# Altium PCB PCB3.PcbDoc
Units mm, origin at the board's own origin, x right, y up, seen from the top; angles counter-clockwise.
Board outline 155.1 x 76.1 mm, 2 copper layers (Top Layer, Bottom Layer); 73 components, 62 nets, 228 pads, 16 vias.
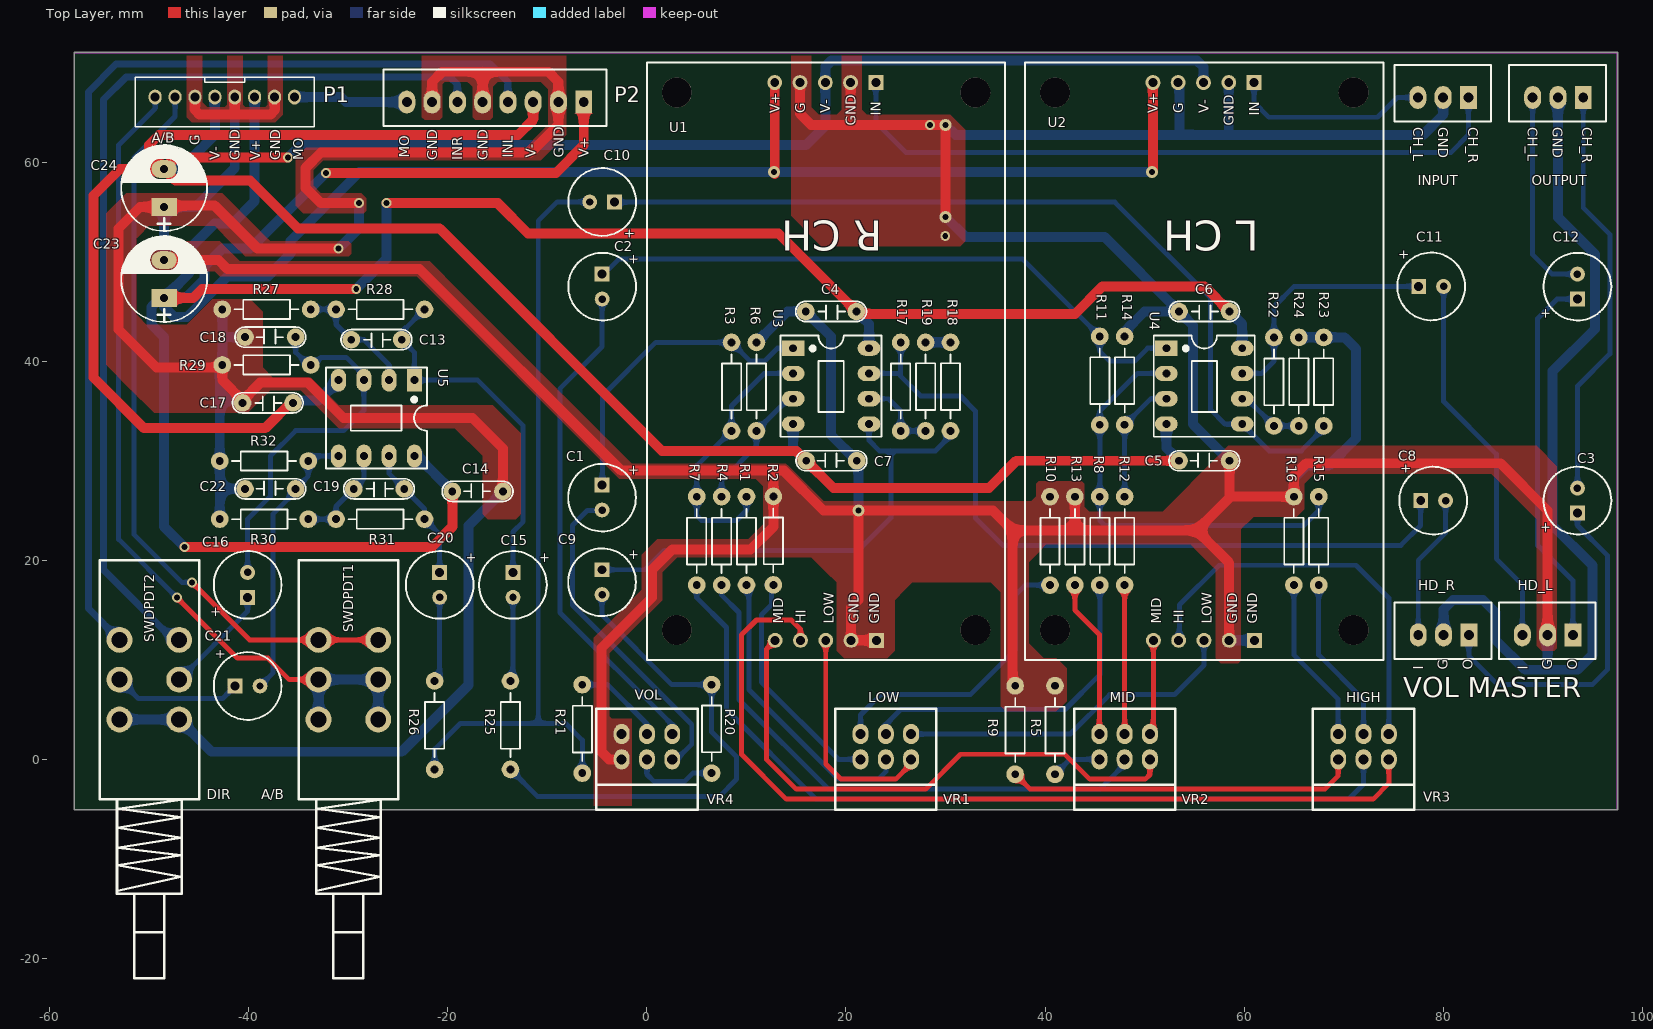
[diagram p0: Top Layer view]
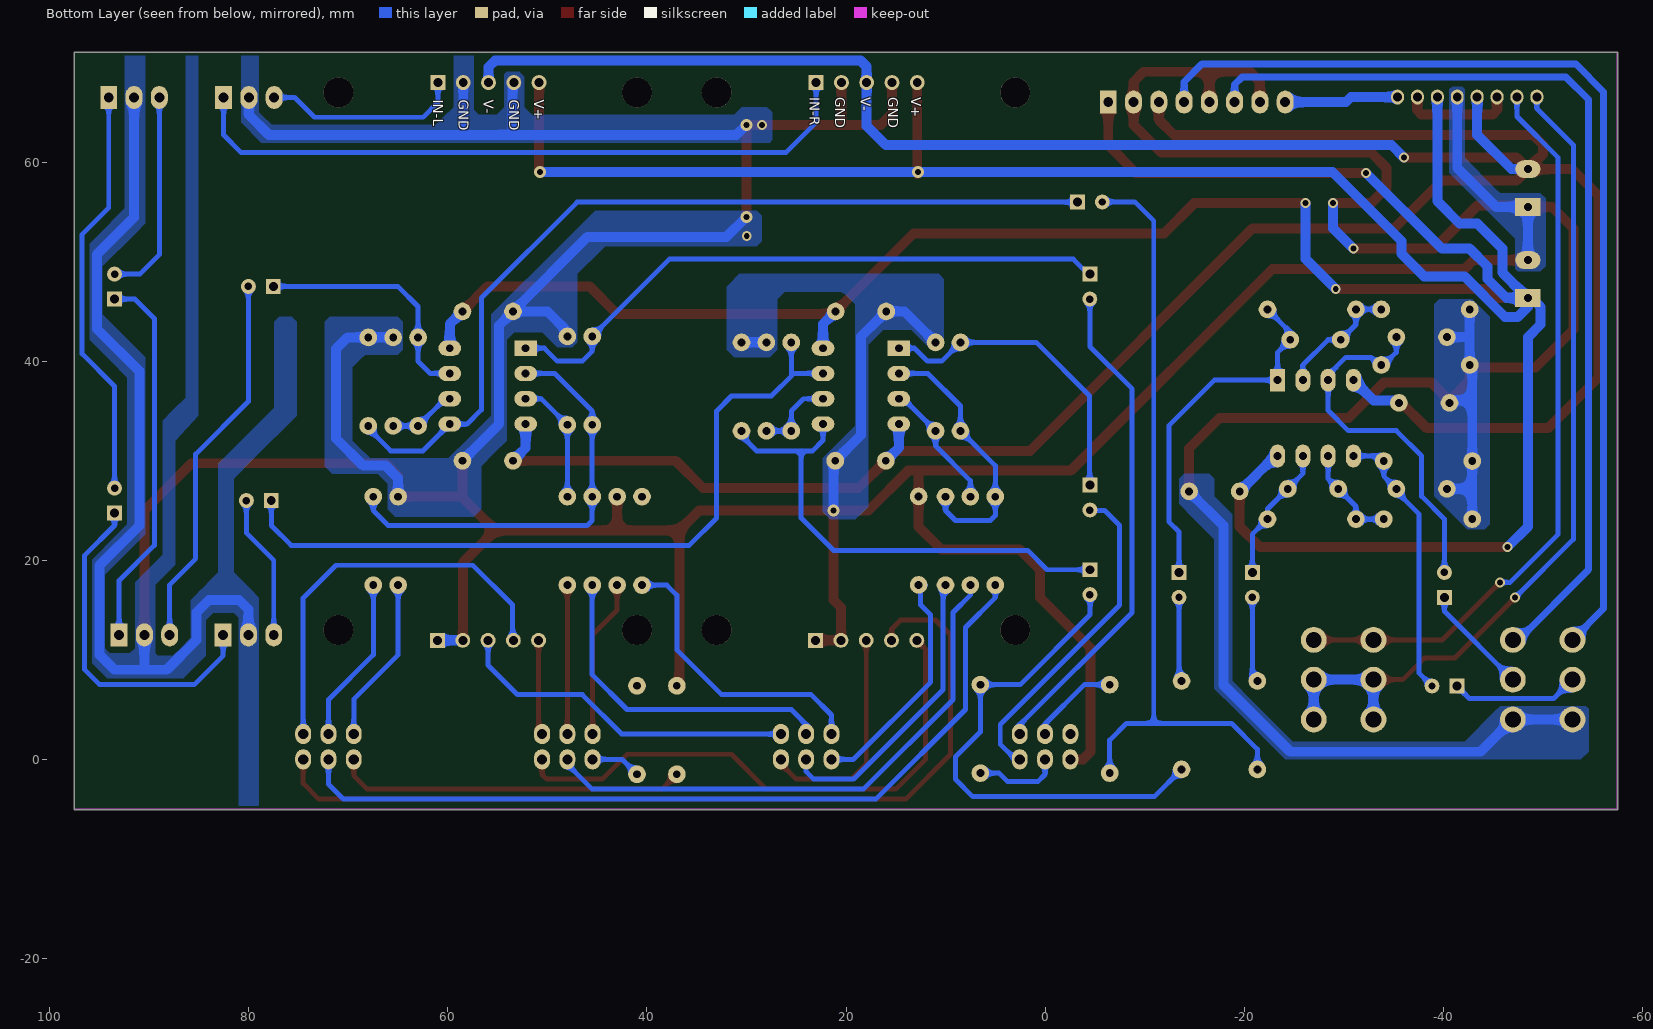
[diagram p1: Bottom Layer view, seen from below]
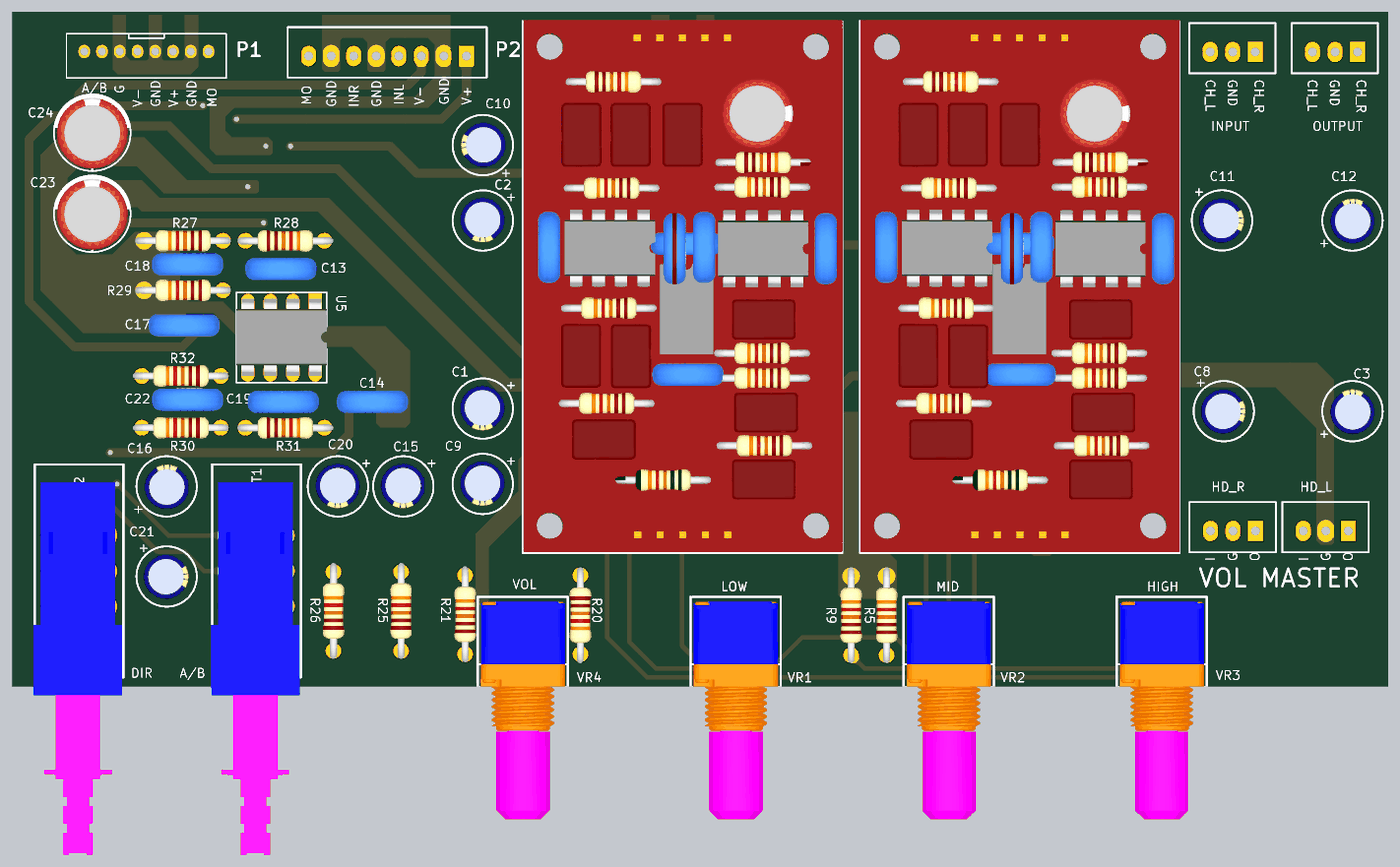
[diagram p2: 3D render of the assembled board from above, using the file's embedded part models]

## Layer stack, top to bottom
Top Solder: solder mask 0.0102, Solder Resist, Dk 3.5
Top Layer: signal copper 0.0356
Dielectric 1: dielectric 0.32, FR-4, Dk 4.8
Bottom Layer: signal copper 0.0356
Bottom Solder: solder mask 0.0102, Solder Resist, Dk 3.5

## Board outline
-57.5,-5.05 cw(c-57.5,-5) -57.55,-5 -57.55,71 cw(c-57.5,71) -57.5,71.05 97.5,71.05 cw(c97.5,71) 97.55,71 97.55,-5 cw(c97.5,-5) 97.5,-5.05

## Design rules (kind name [scope] priority, off if disabled: settings)
Clearance [All] p1: gap=0.254
PolygonConnect [All] p1: connectstyle=Direct reliefconductorwidth=0.254 reliefentries=4 polygonreliefangle="90 Angle" airgapwidth=0.254
RoutingVias [All] p1: holewidth=0.711 width=1.27 viastyle="Through Hole" minholewidth=0.6 minwidth=0.6 maxholewidth=5 maxwidth=5
SolderMaskExpansion [All] p1: expansion=0.102
Width [All] p1: maxlimit=1 minlimit=0.3 preferedwidth=0.35
30 further rules are at their usual default settings.

## Components (designator, comment, footprint, x,y, rotation, side; value= is the part's Value field where it differs from the comment)
C1 "10uF" CAP5X12 -4.513,26.298 r270 top locked
C2 "10uF" CAP5X12 -4.5,47.5 r270 top locked
C3 "10uF" CAP5x12 93.5,26 r90 top locked
C4 "104" TU_GOM(104-->105pF) 18.5,45 r180 top locked
C5 "104" TU_GOM(104-->105pF) 56,30 r0 top locked
C6 "104" TU_GOM(104-->105pF) 56,45 r180 top locked
C7 "104" TU_GOM(104-->105pF) 18.54,30 r0 top locked
C8 "10uF" CAP5X12 79,26 r0 top locked
C9 "10uF" CAP5X12 -4.513,17.798 r270 top locked
C10 "10uF" CAP5X12 -4.5,56 r180 top locked
C11 "10uF" CAP5X12 78.798,47.513 r0 top locked
C12 "10uF" CAP5x12 93.5,47.5 r90 top locked
C13 "101" TU_GOM(104-->105pF) -27.178,42.164 r180 top
C14 "104" TU_GOM(104-->105pF) -17.018,26.924 r0 top
C15 "10uF" CAP5x12 -13.462,17.526 r270 top
C16 "10uF" CAP5x12 -40.132,17.526 r90 top
C17 "104" TU_GOM(104-->105pF) -38.1,35.814 r180 top locked
C18 "102" TU_GOM(104-->105pF) -37.846,42.418 r0 top
C19 "101" TU_GOM(104-->105pF) -26.924,27.178 r180 top
C20 "10uF" CAP5x12 -20.828,17.526 r270 top
C21 "10uF" CAP5x12 -40.132,7.366 r0 top
C22 "102" TU_GOM(104-->105pF) -37.846,27.178 r0 top
C23 "470uF" "TU_HOA(100uF/35V - 470uF/16V)" -48.514,48.26 r90 top locked
C24 "470uF" "TU_HOA(100uF/35V - 470uF/16V)" -48.514,57.404 r90 top
HD_L "Header 3_MH" "HEADER 3" 90.5,12.5 r180 top locked
HD_R "Header 3_MH" "HEADER 3" 80.04,12.5 r180 top locked
INPUT "Header 3_MH" "HEADER 3" 80,66.5 r180 top locked
OUTPUT "Header 3_MH" "HEADER 3" 91.54,66.5 r180 top locked
P1 "ToMICBOARD" HEADER2M_8P -42.418,66.548 r180 top locked
P2 "ToMICBOARD" "HEADER 8" -15.24,66.04 r180 top
R1 "56K" "TRO_VACH_ 1/4W" 10,26.39 r270 top locked
R2 "100" "TRO_VACH_ 1/4W" 12.7,26.416 r270 top
R3 "560K" "TRO_VACH_ 1/4W" 8.5,41.89 r270 top locked
R4 "47K" "TRO_VACH_ 1/4W" 7.5,26.39 r270 top locked
R5 "100" "TRO_VACH_ 1/4W" 41,7.39 r270 top locked
R6 "22K" "TRO_VACH_ 1/4W" 11,41.89 r270 top locked
R7 "56K" "TRO_VACH_ 1/4W" 5,26.39 r270 top locked
R8 "56K" "TRO_VACH_ 1/4W" 45.5,26.39 r270 top locked
R9 "100" "TRO_VACH_ 1/4W" 37,7.39 r270 top locked
R10 "100" "TRO_VACH_ 1/4W" 40.5,26.39 r270 top locked
R11 "560K" "TRO_VACH_ 1/4W" 45.5,42.5 r270 top locked
R12 "47K" "TRO_VACH_ 1/4W" 48,26.39 r270 top locked
R13 "100" "TRO_VACH_ 1/4W" 43,26.39 r270 top locked
R14 "22K" "TRO_VACH_ 1/4W" 48,42.5 r270 top locked
R15 "56K" "TRO_VACH_ 1/4W" 67.5,26.39 r270 top locked
R16 "100" "TRO_VACH_ 1/4W" 65,26.39 r270 top locked
R17 "8.2K" "TRO_VACH_ 1/4W" 25.5,41.89 r270 top locked
R18 "56K" "TRO_VACH_ 1/4W" 30.5,33 r90 top locked
R19 "1K" "TRO_VACH_ 1/4W" 28,33 r90 top locked
R20 "22K" "TRO_VACH_ 1/4W" 6.5,-1.39 r90 top locked
R21 "22K" "TRO_VACH_ 1/4W" -6.5,7.5 r270 top locked
R22 "8.2K" "TRO_VACH_ 1/4W" 63,42.39 r270 top locked
R23 "56K" "TRO_VACH_ 1/4W" 68,33.5 r90 top locked
R24 "1K" "TRO_VACH_ 1/4W" 65.5,33.5 r90 top locked
R25 "22K" "TRO_VACH_ 1/4W" -13.716,7.874 r270 top
R26 "22K" "TRO_VACH_ 1/4W" -21.336,7.874 r270 top
R27 "1K" "TRO_VACH_ 1/4W" -42.672,45.212 r0 top
R28 "8.2K" "TRO_VACH_ 1/4W" -22.352,45.212 r180 top
R29 "56K" "TRO_VACH_ 1/4W" -42.672,39.624 r0 top locked
R30 "1K" "TRO_VACH_ 1/4W" -42.926,24.13 r0 top
R31 "8.2K" "TRO_VACH_ 1/4W" -22.352,24.13 r180 top
R32 "56K" "TRO_VACH_ 1/4W" -42.926,29.972 r0 top
SWDPDT1 "SPUN190900" SW-DIP-P42X10 -29.952,8.064 r270 top locked
SWDPDT2 "SPUN190900" SW-DIP-P42X10 -49.952,8.064 r270 top locked
U1 "ToneBoard" TONEBOARD 18,39.978 r90 top locked
U2 "ToneBoard" TONEBOARD 56,39.978 r90 top locked
U3 "TL082ACP" DIP8 18.5,37.5 r270 top locked
U4 "TL082ACP" DIP8 56,37.5 r270 top locked
U5 "TL082ACP" DIP8 -27.178,34.29 r180 top
VR1 "10k" 9011 21.46,0 r0 top locked
VR2 "10k" 9011 45.46,0 r0 top locked
VR3 "10k" 9011 69.46,0 r0 top locked
VR4 "10k" 9011 -2.54,0 r0 top locked

## Footprints (in the part's own frame and the unit in brackets; to place one, negate y for a bottom-side part, rotate by r counter-clockwise, add the part's x,y. Pads: shape width x height; smd on the part's side, far side on the other; paste and mask are expansions set on the pad)
9011 [mil]
  oval 62.99x80 hole 40: 1(0,0) 2(100,0) 3(200,0) 4(0,100) 5(100,100) 6(200,100)
  silkscreen extent -100,-200 300,200, body extent -86,-789 288,178, height 447
CAP5X12 [mm] "Electrolytic Capacitor Radial 5x12 ver.2"
  rect 1.5x1.5 hole 0.9: 1(-1.25,0)
  round 1.5 hole 0.75: 2(1.25,0)
  silkscreen extent -3.4,-3.4 3.4,3.4, body extent -2.62,-2.57 2.46,2.51, height 13.2
CAP5x12 [mm] "Electrolytic Capacitor Radial 5x12 ver.2"
  rect 1.5x1.5 hole 0.9: 1(-1.25,0)
  round 1.5 hole 0.75: 2(1.25,0)
  silkscreen extent -3.4,-3.4 3.4,3.4, body extent -2.62,-2.57 2.46,2.51, height 13.2
DIP8 [mil]
  rect 60x90 hole 31: 1(-150,-150)
  oval 60x90 hole 31: 2(-50,-150) 3(50,-150) 4(150,-150) 5(150,150) 6(50,150) 7(-50,150) 8(-150,150)
  silkscreen extent -200,-200 200,200, body extent -200,-190 200,186, height 201
HEADER2M_8P [mm]
  oval 1.3x1.5 hole 0.9 mask+0.001: 1(-7,0) 2(-5,0) 3(-3,0) 4(-1,0) 5(1,0) 6(3,0) 7(5,0) 8(7,0)
  silkscreen extent -9,-2 9,3
"HEADER 3" [mm]
  rect 1.7x2.3 hole 1 paste+0: 1(-2.54,0)
  oval 1.7x2.3 hole 1 paste+0: 2(0,0) 3(2.54,0)
  silkscreen extent -4.83,-3.25 4.9,2.41
"HEADER 8" [mm]
  rect 1.7x2.3 hole 1 paste+0: 1(-8.89,0)
  oval 1.7x2.3 hole 1 paste+0: 2(-6.35,0) 3(-3.81,0) 4(-1.27,0) 5(1.27,0) 6(3.81,0) 7(6.35,0) 8(8.89,0)
  silkscreen extent -11.18,-3.25 11.25,2.41
SW-DIP-P42X10 [mm]
  round 2.6 hole 1.6: 1(4.064,-3.048) 2(0.064,-3.048) 3(-3.936,-3.048) 4(4.064,2.952) 5(0.064,2.952) 6(-3.936,2.952)
  silkscreen extent -11.94,-5.05 30.06,4.95, body extent -9.92,-5.18 32.08,4.82, height 13.1
TONEBOARD [mm]
  round 3 hole 3 mask+0.001: 0(-26.978,-15) 0(-26.978,15) 0(27.022,-15) 0(27.022,15)
  rect 1.5x1.5 hole 0.9: 1(-28.022,-5.046) 10(28.022,-5)
  round 1.5 hole 0.9: 2(-28.022,-2.506) 3(-28.022,0.034) 4(-28.022,2.574) 5(-28.022,5.114) 6(28.022,5.16) 7(28.022,2.62) 8(28.022,0.08) 9(28.022,-2.46)
  silkscreen extent -29.98,-18 30.02,18, body extent -29.87,-18.06 30.13,17.94, height 16.5
"TRO_VACH_ 1/4W" [mil] "R 1/4W, 2 Pin, 350mil"
  round 70 hole 31: 1(0,0) 2(350,0)
  silkscreen extent 48,-38 302,38, body extent -40,-47 386,47, height 111
TU_GOM(104-->105pF) [mil]
  round 70 hole 31: 1(-100,0) 2(100,0)
  silkscreen extent -140,-40 140,40, body extent -154,-44 160,55, height 407
"TU_HOA(100uF/35V - 470uF/16V)" [mil]
  rect 70x100 hole 32: 1(-75,0)
  oval 70x100 hole 32: 2(75,0)
  silkscreen extent -170,-170 170,170, body extent -160,-157 155,157, height 446

## Part data
C1 C2 C3 C8 C9 C10 C11 C12 C15 C20: library part TU_HOA_4.7uF_100V_MH, "TU_HOA_4.7uF_100V_MH"
C4 C5 C6 C7 C14 C17: library part "TU_MICA_ 104 100V(2A104J)_MH"
C13 C18 C19 C22: library part "TU_GOM(104 => 105pF)_MH"
C16 C21: library part TU_HOA_10uF_16V_MH
C23 C24: library part TU_HOA_10uF_16V_MH, "10uF"
HD_L HD_R INPUT OUTPUT: "Header 3P XH2.54 th?ng"
P1 P2: library part "Header 8", "Header, 8-Pin"
R1 R3 R4 R5 R6 R7 R8 R9 R10 R11 R12 R13 R14 R15 R16 R17 R18 R19 R20 R21 R22 R23 R24 R25 R26: library part TRO_VACH_1/2W_MH, "Resistor"
R2: library part TRO_VACH_1/2W_MH, "100 Ohms ±1% 0.25W, 1/4W Through Hole Resistor Axial Metal Film"
R27 R28 R29 R30 R31 R32: library part TRO_VACH_1/4W_MH
U3 U4 U5: "JFET-Input Operational Amplifier"
VR1 VR2 VR3 VR4: library part "Triet Ap Doi 10k_MH", "Triet Ap Doi 10k"

## Via types
v1: diameter 1, hole 0.6, Top Layer to Bottom Layer, tented both sides, 11 vias
v2: diameter 1.2, hole 0.6, Top Layer to Bottom Layer, tented both sides, 5 vias

## Nets (pads, with @x,y where several pads share a name; then routed paths per layer and width w, separated by ;. In a path a pad name is that pad's centre, name@x,y a point inside that pad or via, vN(x,y) a via of type N, cw(c..) or ccw(c..) an arc to the next point about the centre after c; other vN are vias at no path point)
+15V: C4.1 C6.1 C14.1 C23.1 P1.3 P2.1 U1.6 U2.6 U3.8 U4.8 U5.8 | length 396.5
  Top Layer w1: C23.1 -45.593,46.355 -44.704,47.244 v1(-29.21,47.244) ; v1(-46.482,21.336) -21.59,21.336 -19.558,23.368 C14.1 ; v1(-32.258,58.928) -9.144,58.928 -6.35,61.722 P2.1 ; v1(-26.162,55.88) -14.986,55.88 -11.938,52.832 13.208,52.832 C4.1 21.29,44.75 43,44.75 45.75,47.5 56.04,47.5 C6.1 ; v2@12.84,58.814 U1.6 ; v2(50.75,59) 50.84,59.09 U2.6
  Bottom Layer w1: C23.1@-48.514,45.466 -47.498,44.45 -46.228,44.45 -42.164,48.514 -38.1,48.514 -35.814,50.8 -35.814,52.07 -28.884,59 v2(12.75,59) v2(50.75,59) ; v1(-46.482,21.336) -48.514,23.368 -48.514,42.418 -49.784,43.688 -49.784,45.466 -48.895,46.355 C23.1 ; P1.3 -39.418,56.086 -41.656,53.848 -43.434,53.848 -45.974,51.308 -45.974,48.895 C23.1 ; v1(-32.258,58.928) -39.878,51.308 -42.672,51.308 -44.45,49.53 -44.45,48.26 -46.355,46.355 C23.1 ; v1(-29.21,47.244) -26.162,50.292 v1(-26.162,55.88) ; U5.8 -23.114,30.48 C14.1 ; C4.1 22.31,43.73 U3.8 ; C6.1 59.81,43.73 U4.8
-15V: C5.1 C7.1 C17.1 C24.2 P1.5 P2.3 U1.8 U2.8 U3.4 U4.4 U5.4 | length 348.6
  Top Layer w1: C24.2@-48.133,59.69 -47.371,60.452 v1(-36.068,60.452) ; C17.1@-35.56,36.068 -38.354,33.274 -50.546,33.274 -55.626,38.354 -55.626,56.642 -52.959,59.309 C24.2 ; P2.3 -11.43,64.262 -12.954,62.738 -49.022,62.738 -50.038,61.722 -50.038,60.833 C24.2 ; C5.1 37.112,30 34.362,27.25 18.75,27.25 C7.1 15.012,30.988 1.524,30.988 -20.828,53.34 -35.052,53.34 -39.878,58.166 -47.371,58.166 C24.2
  Bottom Layer w1: C24.2 -46.863,59.309 -43.418,62.754 P1.5 ; v1(-36.068,60.452) -34.798,61.722 16.002,61.722 17.92,63.64 U1.8 17.92,69.596 18.52,70.196 55.28,70.196 55.92,69.556 U2.8 ; C17.1@-35.56,36.068 -33.02,36.068 U5.4 ; U3.4 14.69,31.31 C7.1 ; U4.4 52.19,31.27 C5.1
A/B_C: P1.8 SWDPDT1.1 SWDPDT1.2 SWDPDT1.4 SWDPDT1.5 | length 85.9
  Top Layer w0.5: v1(-47.244,16.256) -41.148,10.16 -38.1,10.16 -35.94,8 SWDPDT1.2
  Bottom Layer w0.5: P1.8 -49.418,65.39 -53.086,61.722 -53.086,22.098 v1(-47.244,16.256)
  Bottom Layer w1: SWDPDT1.1 SWDPDT1.2 SWDPDT1.5 SWDPDT1.4
DIR_C: P1.7 SWDPDT1.3 SWDPDT1.6 | length 74.6
  Top Layer w0.5: v1(-45.72,17.78) -39.94,12 SWDPDT1.3 SWDPDT1.6
  Bottom Layer w0.5: P1.7 -47.418,64.596 -51.562,60.452 -51.562,22.606 -46.736,17.78 v1(-45.72,17.78)
GND: C4.2 C5.2 C6.2 C7.2 C14.2 C17.2 C18.1 C22.1 C23.2 C24.1 HD_L.2 HD_R.2 INPUT.2 OUTPUT.2 P1.2 P1.4 P1.6 P2.2 P2.5 P2.7 R2.1 R5.1 R6.1 R9.1 R10.1 R13.1 R14.1 R16.1 R18.2 R19.2 R23.2 R24.2 R27.1 R29.1 R30.1 R32.1 SWDPDT2.1 SWDPDT2.4 U1.1 U1.2 U1.7 U1.9 U2.1 U2.2 U2.7 U2.9 VR4.1 VR4.4 | length 825.8
  Top Layer w0.5: 12.5,29 12.7,28.8
  Top Layer w1: C23.2 -43.053,50.165 -42.164,49.276 -22.86,49.276 -2.584,29 12.5,29 13.75,29 17.75,25 v2(21.25,25) ; C24.1 -50.927,55.499 -53.086,53.34 -53.086,43.18 -49.276,39.37 R29.1@-42.672,39.37 ; C24.1@-48.133,55.499 -48.006,55.626 -43.434,55.626 -39.116,51.308 v1(-30.988,51.308) ; P1.6 -45.418,65.23 -44.958,64.77 -41.402,64.77 ; R29.1 R29.1@-42.672,39.37 ; P1.4 -41.418,64.786 -41.402,64.77 ; P1.2 -37.418,65.198 -37.846,64.77 -41.402,64.77 ; v1(-28.956,55.88) -32.766,55.88 -34.29,57.404 -34.29,59.436 -32.766,60.96 -11.684,60.96 -8.89,63.754 P2.2 -8.89,68.072 -9.906,69.088 -16.51,69.088 ; P2.7 -21.59,68.072 -20.574,69.088 -16.51,69.088 ; P2.5 -16.51,69.088 ; C14.2 -14.478,31.242 -17.526,34.29 -30.48,34.29 -34.036,37.846 -38.862,37.846 -40.64,36.068 -42.672,38.1 R29.1@-42.672,39.37 ; VR4.1 -3.81,0 -4.572,0.762 -4.572,11.176 0.508,16.256 0.508,19.05 2.54,21.082 10.414,21.082 12.7,23.368 R2.1 12.7,28.8 ; U1.7 15.38,64.87 16.5,63.75 20.5,63.75 ; U1.9 20.46,63.79 20.5,63.75 ; U1.1 U1.2 20.5,11.962 20.5,15.25 21.25,16 v2(21.25,25) ; v2(30,54.5) v2(30,63.75) v1(28.448,63.75) 20.5,63.75 ; R9.1 36.75,7.64 36.75,23 ; R13.1 43,23 ; U2.2 58.506,19.744 55.25,23 ; C5.2 58.54,26.29 ; HD_L.2 90.5,25 85.75,29.75 66.25,29.75 65,28.5 R16.1 58.64,26.39 58.54,26.29 ; v2(21.25,25) 34.75,25 36.75,23 ; 36.75,23 43,23 ; 43,23 55.25,23 ; 55.25,23 58.54,26.29
  Bottom Layer w1: SWDPDT2.1 SWDPDT2.4 -43.762,0.762 -24.638,0.762 -17.915,7.485 -17.915,23.487 C14.2 ; C23.2 C24.1 -45.339,55.499 -41.418,59.42 P1.4 ; R30.1 -42.926,27.178 ; R27.1 -42.672,42.672 ; C17.2@-40.64,36.068 -42.926,36.068 ; C22.1 -42.926,27.178 ; C18.1 -42.418,42.418 -42.672,42.672 ; v1(-30.988,51.308) -28.956,53.34 v1(-28.956,55.88) ; R6.1 14.11,45 C4.2 17.46,43.5 17.5,43.5 18.5,42.5 18.5,32.58 C7.2 21.25,29.83 v2(21.25,25) ; R19.2 R18.2 ; v2(30,54.5) 32,52.5 45.96,52.5 C6.2 ; v2(30,63.75) 31,62.75 53.75,62.75 ; R14.1 48,43 50,45 C6.2 ; U2.7 53.5,67.88 53.5,63 53.75,62.75 ; U2.9 58.46,63.04 58.75,62.75 ; U2.2 U2.1 ; C5.2 54.864,33.676 54.864,43.596 C6.2 ; R16.1 65,28.25 66.25,29.5 68.5,29.5 71.25,32.25 71.25,41.25 70.11,42.39 R23.2 R24.2 ; INPUT.2 80,64.75 78,62.75 58.75,62.75 ; HD_R.2 80.04,15.04 81,16 84,16 85.25,14.75 85.25,12 88.25,9 93.5,9 95,10.5 95,19.5 91,23.5 91,39 95.25,43.25 95.25,50.75 91.54,54.46 OUTPUT.2 ; 90.5,9.25 HD_L.2 ; -42.926,27.178 R32.1 -42.926,36.068 ; -42.926,36.068 -42.926,39.116 -42.672,39.37 R29.1 -42.672,42.672 ; 53.75,62.75 58.75,62.75
  other v1: 29.972,52.578
HIS_L: U2.4 VR3.6 | length 41.3
  Bottom Layer w0.5: U2.4 53.5,12.03 53.5,15.5 57.5,19.5 71.25,19.5 74.54,16.21 VR3.6
HIS_R: U1.4 VR3.3 | length 90
  Top Layer w0.5: U1.4 15.426,13.074 14.5,14 11,14 9.5,12.5 9.5,0.5 14,-4 72.962,-4 74.54,-2.422 VR3.3
IN_L: INPUT.3 U2.10 | length 19.9
  Bottom Layer w0.5: U2.10 61,66 62.484,64.516 73.406,64.516 75.39,66.5 INPUT.3
IN_R: INPUT.1 U1.10 | length 69.3
  Bottom Layer w0.5: U1.10 23,64 26.04,60.96 80.772,60.96 82.54,62.728 INPUT.1
LOWS_L: U2.3 VR1.6 | length 34.8
  Bottom Layer w0.5: VR1.6 42.54,2.54 46.5,6.5 53,6.5 55.966,9.466 U2.3
LOWS_R: U1.3 VR1.3 | length 22.7
  Top Layer w0.5: U1.3 17.966,-0.466 19.5,-2 25,-2 26.54,-0.46 VR1.3
MICIN_L: P2.4 SWDPDT2.3 | length 102.4
  Bottom Layer w0.7: SWDPDT2.3 -56.134,15.134 -56.134,67.056 -53.34,69.85 -15.748,69.85 -13.97,68.072 P2.4
MICIN_R: P2.6 SWDPDT2.6 | length 96.4
  Bottom Layer w0.7: SWDPDT2.6 -47.56,12 -54.61,19.05 -54.61,66.294 -52.324,68.58 -19.812,68.58 -19.05,67.818 P2.6
MICO_L: C20.2 R26.1 | length 8.6
  Bottom Layer w0.5: R26.1 -20.828,8.382 C20.2
MICO_R: C15.2 R25.1 | length 8.5
  Bottom Layer w0.5: R25.1 -13.462,8.128 C15.2
MIDS_L: U2.5 VR2.6 | length 9.6
  Top Layer w0.5: VR2.6 50.886,2.886 U2.5
MIDS_R: U1.5 VR2.3 | length 56.3
  Top Layer w0.5: U1.5 12,11.07 12,0 15,-3 28,-3 31.508,0.508 41.992,0.508 44.5,-2 50.07,-2 50.54,-1.53 VR2.3
MO: P1.1 P2.8 | length 11.5
  Bottom Layer w1: P1.1 -30.734,66.548 -30.226,66.04 P2.8
MUSIC_L: R21.1 VR4.5 | length 9.1
  Bottom Layer w0.5: R21.1 -3.944,7.5 0,3.556 VR4.5
MUSIC_R: R20.1 VR4.2 | length 8.7
  Bottom Layer w0.5: VR4.2 0,-1.524 0.726,-2.25 3.75,-2.25 4.61,-1.39 R20.1
NetC1_1: C1.1 R3.1 U3.1 | length 31.5
  Bottom Layer w0.5: C1.1@-4.487,27.702 -4.487,36.513 0.89,41.89 R3.1 10.39,40 11.806,40 13.116,41.31 U3.1
NetC2_1: C2.1 R11.1 U4.1 | length 63.3
  Bottom Layer w0.5: C2.1@-4.487,49.202 -4.053,48.768 -4.053,49.033 -2.836,50.25 37.75,50.25 R11.1 45.5,41 46.5,40 49,40 50.31,41.31 U4.1
NetC3_1: C3.1 HD_R.1 | length 34.8
  Bottom Layer w0.5: HD_R.1 82.58,10.42 85.5,7.5 95,7.5 96.5,9 96.5,20.5 93.5,23.5 C3.1
NetC8_1: C8.1 R17.1 U3.7 | length 75.5
  Bottom Layer w0.5: U3.7 25.5,38.77 ; R17.1 25.5,38.77 ; C8.1 77.75,23.5 75.75,21.5 35.75,21.5 33,24.25 33,35 31.5,36.5 27.5,36.5 25.5,38.5 25.5,38.77
NetC8_2: C8.2 HD_R.3 | length 14.6
  Bottom Layer w0.5: HD_R.3 77.5,20 80.25,22.75 C8.2
NetC9_1: C9.1 R18.1 U3.5 | length 49.6
  Top Layer w0.5: U3.5 U3.5@22.5,33.5
  Bottom Layer w0.5: C9.1 -0.202,19.048 1.75,21 21.254,21 24.5,24.246 24.5,31 ; U3.5 22.31,32.046 23.356,31 24.5,31 ; R18.1 30.5,32.5 29,31 24.5,31
NetC9_2: C9.2 R20.2 R25.2 | length 50.6
  Bottom Layer w0.5: R25.2 -10.982,-3.75 7.25,-3.75 9,-2 9,0.25 6.5,2.75 R20.2 2.5,7.5 -4.525,14.525 C9.2@-4.525,16.096
NetC10_1: C10.1 R23.1 U4.5 | length 88.9
  Bottom Layer w0.5: C10.1@-2.798,55.987 47.013,55.987 56.642,46.358 56.642,35.108 58.06,33.69 U4.5 62.5,31 65.75,31 68,33.25 R23.1
NetC10_2: C10.2 R21.2 R26.2 | length 78
  Bottom Layer w0.5: R26.2 -21.336,1.016 -18.742,3.61 -10.922,3.61 ; R21.2 -6.5,1.928 -8.182,3.61 -10.922,3.61 ; C10.2@-6.202,56.013 -9.011,56.013 -10.922,54.102 -10.922,3.61
NetC11_1: C11.1 R22.1 U4.7 | length 24.1
  Bottom Layer w0.5: U4.7 61.77,38.77 63,40 R22.1 63,45.5 65.025,47.525 C11.1@77.096,47.525
NetC11_2: C11.2 HD_L.3 | length 38.3
  Bottom Layer w0.5: C11.2 80.048,35.952 85.344,30.656 85.344,20.156 87.96,17.54 HD_L.3
NetC12_1: C12.1 HD_L.1 | length 38.1
  Bottom Layer w0.5: HD_L.1 93.04,17.96 89.5,21.5 89.5,44.288 91.462,46.25 C12.1
NetC13_1: C13.1 C15.1 R28.1 U5.1 | length 36.6
  Bottom Layer w0.5: R28.1 -24.638,42.926 C13.1 -23.368,40.894 U5.1 -17.018,38.1 -12.446,33.528 -12.446,23.876 -13.462,22.86 C15.1
NetC13_2: C13.2 R27.2 R28.2 U5.2 | length 12.6
  Bottom Layer w0.5: R27.2 R28.2 -31.242,43.688 C13.2 -28.448,42.164 -25.908,39.624 U5.2
NetC16_1: C16.1 SWDPDT2.5 | length 11.1
  Bottom Layer w0.5: SWDPDT2.5 -40.132,14.868 C16.1
NetC16_2: C16.2 C18.2 R29.2 U5.3 | length 37.4
  Bottom Layer w0.5: C16.2 -40.132,24.13 -37.846,26.416 -37.846,30.48 -35.306,33.02 -30.48,33.02 -28.448,35.052 U5.3 -28.448,38.608 -30.226,40.386 -32.766,40.386 -33.782,39.37 -35.306,40.894 C18.2@-35.306,42.164
NetC19_1: C19.1 C20.1 R31.1 U5.7 | length 13.8
  Bottom Layer w0.5: U5.7 -25.908,28.702 C19.1 -22.352,25.146 R31.1 -20.828,22.606 C20.1
NetC19_2: C19.2 R30.2 R31.2 U5.6 | length 10.3
  Bottom Layer w0.5: R30.2 R31.2 -31.242,25.4 C19.2 -28.448,28.194 U5.6
NetC21_1: C21.1 SWDPDT2.2 | length 12.9
  Bottom Layer w0.5: SWDPDT2.2 -51.096,6.096 -42.652,6.096 C21.1
NetC21_2: C21.2 C22.2 R32.2 U5.5 | length 28.2
  Bottom Layer w0.3: U5.5@-31.519,30.203 -31.242,30.203 U5.5@-31.242,30.226
  Bottom Layer w0.5: C21.2 -37.592,8.656 -37.592,24.638 -35.306,26.924 C22.2 -34.036,28.448 R32.2 -33.528,30.48 U5.5
NetR1_1: R1.1 R3.2 R7.1 U3.2 | length 27
  Bottom Layer w0.5: R1.1 10,25 9,24 5.5,24 5,24.5 R7.1 5,29.5 R3.2 8.5,35.5 11.77,38.77 U3.2
NetR1_2: R1.2 VR1.2 | length 29.6
  Bottom Layer w0.5: R1.2 10.25,17.25 10.25,7 19.25,-2 23.25,-2 24,-1.25 VR1.2
NetR2_2: R2.2 VR1.1 | length 23.5
  Bottom Layer w0.5: R2.2@12,17.5 12.5,17 12.5,15.5 11.5,14.5 11.5,7.75 19.25,0 VR1.1
NetR4_1: R4.1 R6.2 U3.3 | length 13.1
  Bottom Layer w0.5: R4.1 7.5,28 11,31.5 R6.2 14.23,36.23 U3.3
NetR4_2: R4.2 VR2.2 | length 56.2
  Bottom Layer w0.5: R4.2 7.5,16.5 9.25,14.75 9.25,6 18.25,-3 45.5,-3 48,-0.5 VR2.2
NetR5_2: R5.2 VR2.1 | length 5.1
  Bottom Layer w0.5: R5.2 42.5,0 VR2.1
NetR7_2: R7.2 VR3.2 | length 84.8
  Bottom Layer w0.5: R7.2@4.5,17.5 5,17 5,16.25 8,13.25 8,5 17,-4 70.5,-4 72,-2.5 VR3.2
NetR8_1: R8.1 R11.2 R15.1 U4.2 | length 43.5
  Bottom Layer w0.5: U4.2 49.27,38.77 45.5,35 R11.2 R8.1 45.5,24 46,23.5 66,23.5 67.5,25 R15.1
NetR8_2: R8.2 VR1.5 | length 33.5
  Bottom Layer w0.5: VR1.5 24,3.5 25.5,5 42,5 45.5,8.5 R8.2
NetR9_2: R9.2 VR3.1 | length 35.3
  Top Layer w0.5: R9.2 38.5,-3 68.12,-3 69.46,-1.66 VR3.1
NetR10_2: R10.2 VR1.4 | length 29.6
  Bottom Layer w0.5: VR1.4 21.46,4.46 23.5,6.5 32.5,6.5 37,11 37,16.5 38,17.5 R10.2
NetR12_1: R12.1 R14.2 U4.3 | length 12.5
  Bottom Layer w0.5: R12.1 R14.2 50.62,36.23 U4.3
NetR12_2: R12.2 VR2.5 | length 15
  Top Layer w0.5: VR2.5 R12.2
NetR13_2: R13.2 VR2.4 | length 16
  Top Layer w0.5: R13.2 43,15 45.46,12.54 VR2.4
NetR15_2: R15.2 VR3.5 | length 16.8
  Bottom Layer w0.5: R15.2 67.5,10.5 72,6 VR3.5
NetR16_2: R16.2 VR3.4 | length 16.8
  Bottom Layer w0.5: R16.2 65,10.5 69.46,6.04 VR3.4
NetR17_2: R17.2 R19.1 U3.6 | length 8.2
  Bottom Layer w0.5: U3.6 24.27,36.23 25.5,35 R17.2 R19.1
NetR22_2: R22.2 R24.1 U4.6 | length 6.8
  Bottom Layer w0.5: U4.6 60.27,36.23 R22.2 R24.1
OUT_L: C2.2 VR4.6 | length 50.1
  Bottom Layer w0.5: C2.2 -4.5,41.474 -8.75,37.224 -8.75,14.75 2.54,3.46 VR4.6
OUT_R: C1.2 VR4.3 | length 33.3
  Bottom Layer w0.5: C1.2@-4.525,24.596 -4.929,25 -6,25 -7.5,23.5 -7.5,15.5 4.5,3.5 4.5,1.5 3,0 VR4.3
OUTPUT_L: C12.2 OUTPUT.3 | length 21.1
  Bottom Layer w0.5: OUTPUT.3 89,50.7 90.95,48.75 C12.2
OUTPUT_R: C3.2 OUTPUT.1 | length 41.7
  Bottom Layer w0.5: C3.2 93.5,37.5 96.75,40.75 96.75,52.75 94.08,55.42 OUTPUT.1
pads on no net: U1.0 U2.0

## Polygon pours and split planes (outlines as drawn)
GND on Top Layer "Bottom Layer-No Net 1" (solid, pour order 2): -29.972,52.07 -36.576,52.07 -37.846,52.07 -41.91,56.134 -42.672,56.896 -48.006,56.896 -52.324,56.896 -53.34,55.88 -54.356,54.864 -54.356,52.324 -54.356,39.624 -52.07,37.338 -49.53,34.798 -41.148,34.798 -40.132,34.798 -38.862,36.068 -37.846,37.084 -37.592,37.084 -34.798,37.084 -30.988,33.274 -27.178,33.274 -19.304,33.274 -16.51,30.48 -16.51,25.654 -16.51,24.638 -16.002,24.13 -13.208,24.13 -12.7,24.638 -12.7,27.432 -12.7,32.766 -14.986,35.052 -15.494,35.56 -21.844,35.56 -30.988,35.56 -33.274,37.846 -33.782,38.354 -35.56,38.354 -37.592,38.354 -38.608,39.37 -38.608,41.148 -38.608,44.958 -39.624,45.974 -39.878,46.228 -42.164,46.228 -43.688,46.228 -44.704,45.212 -46.228,43.688 -49.784,43.688 -50.292,43.688 -51.054,44.45 -51.308,44.704 -51.308,52.07 -51.308,52.324 -51.054,52.578 -50.038,53.594 -49.022,53.594 -43.434,53.594 -41.656,51.816 -40.386,50.546 -36.576,50.546 -29.972,50.546 -29.718,50.8 -29.718,51.816
GND on Top Layer "Bottom Layer-No Net 1" (solid, pour order 4): -22.606,64.77 -22.606,71 -8.128,71 -8.128,62.738 -9.144,61.722 -10.668,60.198 -14.732,60.198 -32.512,60.198 -33.528,59.182 -33.528,57.658 -32.766,56.896 -29.972,56.896 -28.702,56.896 -28.448,56.642 -28.194,56.388 -28.194,55.118 -28.448,54.864 -32.258,54.864 -34.544,54.864 -35.052,55.372 -35.306,55.626 -35.306,58.42 -35.306,60.452 -34.544,61.214 -34.29,61.468 -33.274,61.468 -12.192,61.468 -10.668,62.992 -9.906,63.754 -9.906,67.056 -9.906,67.31 -10.414,67.818 -10.668,68.072 -13.97,68.072 -14.986,68.072 -15.24,67.818 -15.494,67.564 -15.494,66.294 -15.494,64.516 -15.748,64.262 -17.272,64.262 -17.526,64.516 -17.526,66.802 -17.526,67.564 -17.78,67.818 -18.034,68.072 -19.304,68.072 -20.32,68.072 -20.574,67.818 -20.574,64.77 -20.574,64.516 -20.828,64.262 -22.352,64.262 -22.606,64.516
GND on Top Layer "Bottom Layer-No Net 1" (solid, pour order 6): -50.546,51.562 -50.546,49.276 -50.292,49.022 -48.006,49.022 -43.434,49.022 -42.926,48.514 -41.402,48.514 -23.114,48.514 -20.32,45.72 -2.794,28.194 9.144,28.194 10.922,28.194 11.43,27.686 11.684,27.432 11.684,26.416 11.684,23.622 10.414,22.352 10.16,22.098 5.08,22.098 1.016,22.098 0.508,21.59 -0.508,20.574 -0.508,19.05 -0.508,17.018 -2.54,14.986 -5.334,12.192 -5.334,7.366 -5.334,-5 -5.08,-5 -1.524,-5 -1.524,4.064 -2.54,4.064 -3.302,4.064 -3.556,4.064 -3.81,4.318 -3.81,1.524 -3.81,2.794 -3.81,10.668 -1.27,13.208 1.524,16.002 1.524,18.542 1.524,18.796 2.794,20.066 3.048,20.32 12.192,20.32 16.51,20.32 18.034,18.796 19.05,17.78 19.05,14.224 19.05,10.922 19.812,10.16 24.13,10.16 24.638,10.668 24.892,10.922 24.892,16.002 25.908,17.018 26.67,17.78 34.036,17.78 34.544,17.78 35.56,16.764 35.56,5.588 35.56,5.334 36.068,4.826 37.338,4.826 37.846,4.826 38.1,5.08 38.354,5.334 38.354,7.366 38.354,19.812 39.37,20.828 40.132,21.59 43.942,21.59 54.61,21.59 56.134,20.066 57.15,19.05 57.15,13.462 57.15,10.16 57.404,9.906 57.658,9.652 58.928,9.652 59.436,9.652 59.69,9.906 59.69,12.192 59.69,23.114 60.706,24.13 60.96,24.384 64.77,24.384 65.278,24.384 65.786,24.892 66.04,25.146 66.04,27.686 67.056,28.702 83.058,28.702 84.836,28.702 86.106,27.432 89.408,24.13 89.408,12.192 89.408,11.43 89.916,10.922 91.186,10.922 91.44,11.176 91.44,14.732 91.44,29.464 89.408,31.496 80.264,31.496 58.42,31.496 57.404,30.48 51.816,24.892 49.53,24.892 44.45,24.892 43.942,25.4 43.942,26.924 43.942,27.686 43.688,27.94 42.926,27.94 42.164,27.94 41.656,27.94 40.64,27.94 39.37,27.94 39.116,27.686 39.116,26.416 38.608,25.908 33.274,25.908 17.78,25.908 14.224,29.464 13.97,29.718 11.684,29.718 -1.524,29.718 -18.796,46.99 -21.844,50.038 -28.194,50.038 -40.894,50.038 -42.418,51.562 -42.926,52.07 -47.498,52.07 -50.038,52.07
GND on Top Layer "Bottom Layer-No Net 1" (solid, pour order 8): 36.83,4.826 41.148,4.826 41.91,5.588 42.164,5.842 42.164,8.128 42.164,9.144 41.656,9.652 41.148,10.16 39.878,10.16 38.608,11.43 38.354,11.684 38.354,20.32 37.512,20.32 36.75,21.082 36.322,20.654 36.322,11.938
GND on Top Layer "Bottom Layer-No Net 1" (solid, pour order 14): 14.478,71 14.478,65.532 14.478,54.61 16.764,52.324 17.526,51.562 30.988,51.562 31.496,51.562 32.004,52.07 32.004,55.626 32.004,63.246 30.48,64.77 25.654,64.77 22.098,64.77 21.844,65.024 21.59,65.278 21.59,71 19.558,71 19.558,65.278 19.05,64.77 17.272,64.77 16.51,65.532 16.51,66.04 16.51,71
GND on Top Layer "Bottom Layer-No Net 1" (solid, pour order 30): -46.228,67.31 -46.228,67.056 -46.228,64.516 -45.72,64.008 -40.64,64.008 -37.338,64.008 -36.83,64.516 -36.576,64.77 -36.576,67.31 -36.576,71 -38.1,71 -38.1,65.786 -38.354,65.532 -40.132,65.532 -40.386,65.532 -40.64,65.786 -40.64,66.04 -40.64,71 -42.164,71 -42.164,65.786 -42.418,65.532 -44.196,65.532 -44.704,66.04 -44.704,71 -46.228,71
GND on Bottom Layer "Bottom Layer-No Net 1" (solid, pour order 10): 80.772,71 80.772,68.072 80.772,64.008 78.74,61.976 74.422,61.976 27.686,61.976 27.432,62.23 27.432,63.5 27.432,64.77 27.432,65.024 27.686,65.278 27.94,65.532 29.21,65.532 30.48,65.532 30.988,65.024 31.242,64.77 49.784,64.77 51.562,64.77 52.07,65.278 52.324,65.532 52.324,66.802 52.324,68.58 52.832,69.088 53.848,69.088 54.102,69.088 54.356,68.834 54.356,67.31 54.356,65.532 55.118,64.77 56.896,64.77 57.15,65.024 57.404,65.278 57.404,66.294 57.404,70.746 57.658,71 58.674,71 59.302,71 59.436,70.866 59.436,70.104 59.436,65.532 60.452,64.516 61.214,63.754 72.136,63.754 77.724,63.754 78.74,64.77 78.994,65.024 78.994,67.056 78.994,71
GND on Bottom Layer "Bottom Layer-No Net 1" (solid, pour order 12): 56.642,27.686 56.642,29.464 55.372,30.734 54.102,32.004 54.102,35.306 54.102,42.164 53.34,42.926 51.562,42.926 50.546,42.926 49.784,42.164 49.022,41.402 47.752,41.402 47.498,41.402 46.99,41.91 46.99,45.212 46.99,48.768 44.704,51.054 44.196,51.562 38.1,51.562 28.956,51.562 28.448,52.07 28.448,54.102 28.448,54.61 28.702,54.864 28.956,55.118 30.48,55.118 45.212,55.118 48.514,51.816 55.626,44.704 55.626,38.1 55.626,34.544 57.912,32.258 59.944,30.226 59.944,27.686 59.436,27.178 57.15,27.178
GND on Bottom Layer "Bottom Layer-No Net 1" (solid, pour order 16): 59.944,30.226 67.818,30.226 69.088,31.496 69.596,32.004 69.596,34.544 69.596,39.37 68.834,40.132 68.326,40.64 65.278,40.64 65.024,40.64 64.516,41.148 64.516,43.18 64.516,43.942 65.024,44.45 65.786,44.45 71.882,44.45 72.39,43.942 72.39,42.418 72.39,29.464 71.628,28.702 68.834,28.702 67.056,28.702 66.548,28.194 66.04,27.686 66.04,25.654 66.04,25.146 65.278,24.384 60.706,24.384 57.404,24.384 56.642,25.146 56.642,25.4 56.642,29.21
GND on Bottom Layer "Bottom Layer-No Net 1" (solid, pour order 18): -42.418,46.228 -39.624,46.228 -39.37,45.974 -39.116,45.72 -39.116,42.926 -39.116,26.416 -39.624,25.908 -42.418,23.114 -43.688,23.114 -44.196,23.114 -44.45,23.368 -44.704,23.622 -44.704,26.924 -44.704,44.45 -42.926,46.228
GND on Bottom Layer "Bottom Layer-No Net 1" (solid, pour order 20): -42.164,67.31 -42.164,60.452 -45.212,57.404 -45.72,56.896 -49.022,56.896 -49.784,56.896 -50.292,56.388 -50.292,53.086 -50.292,49.53 -49.784,49.022 -48.26,49.022 -47.498,49.022 -47.244,49.276 -47.244,51.308 -47.244,52.324 -44.704,54.864 -40.64,58.928 -40.64,62.738 -40.64,67.31 -40.894,67.564 -41.91,67.564
GND on Bottom Layer "Bottom Layer-No Net 1" (solid, pour order 22): -54.61,5.08 -54.61,1.016 -54.61,0.762 -53.848,0 -51.054,0 -24.13,0 -19.05,5.08 -17.018,7.112 -17.018,12.446 -17.018,22.098 -14.986,24.13 -13.462,25.654 -13.462,27.686 -13.462,28.194 -13.97,28.702 -16.002,28.702 -16.51,28.702 -16.764,28.448 -17.018,28.194 -17.018,26.67 -17.018,26.416 -18.034,25.4 -18.796,24.638 -18.796,17.78 -18.796,7.874 -20.828,5.842 -24.892,1.778 -28.956,1.778 -42.164,1.778 -45.212,4.826 -45.72,5.334 -46.99,5.334 -54.356,5.334 -54.61,5.08
GND on Bottom Layer "Bottom Layer-No Net 1" (solid, pour order 24): 10.16,42.164 10.16,45.212 10.668,45.72 11.176,46.228 15.494,46.228 17.78,46.228 18.796,45.212 19.05,44.958 19.05,41.91 19.05,33.528 21.082,31.496 22.352,30.226 22.352,28.956 22.352,24.892 22.098,24.638 21.59,24.13 20.574,24.13 19.05,24.13 18.542,24.638 17.78,25.4 17.78,32.258 17.78,41.656 16.51,42.926 16.256,43.18 14.732,43.18 13.462,43.18 12.954,42.672 11.684,41.402 10.414,41.402
GND on Bottom Layer "Bottom Layer-No Net 1" (solid, pour order 26): 78.994,-5 78.994,14.986 78.994,16.256 79.502,16.764 79.756,17.018 83.312,17.018 84.836,17.018 85.344,16.51 85.852,16.002 85.852,13.716 85.852,12.192 86.868,11.176 87.63,10.414 89.154,10.414 89.408,10.668 89.408,12.7 89.408,17.526 88.138,18.796 87.376,19.558 87.376,27.178 87.376,32.004 85.09,34.544 85.09,36.83 85.09,71 86.36,71 86.36,65.786 86.36,36.322 87.63,35.052 88.646,34.036 88.646,25.146 88.646,20.574 90.932,18.288 91.44,17.78 91.44,12.446 91.44,11.176 91.948,10.668 93.218,10.668 93.98,10.668 94.234,10.922 94.488,11.176 94.488,13.97 94.488,18.542 92.202,20.828 90.424,22.606 90.424,32.258 90.424,40.386 94.234,44.196 94.742,44.704 94.742,47.498 94.742,49.53 91.44,52.832 90.424,53.848 90.424,67.564 90.424,71 92.456,71 92.456,55.372 95.25,52.578 96.012,51.816 96.012,45.72 96.012,42.164 93.98,40.132 92.202,38.354 92.202,34.798 92.202,23.622 93.218,22.606 95.758,20.066 95.758,12.192 95.758,9.652 94.742,8.636 94.234,8.128 89.662,8.128 86.614,8.128 84.582,10.16 84.328,10.414 84.328,13.208 84.328,13.97 84.074,14.224 83.566,14.732 82.55,14.732 81.534,14.732 81.28,14.478 81.026,14.224 81.026,12.954 81.026,-5
GND on Bottom Layer "Bottom Layer-No Net 1" (solid, pour order 28): 78.994,11.938 78.994,16.256 79.756,17.018 81.534,18.796 81.534,24.892 81.534,28.194 79.502,30.226 75.184,34.544 75.184,43.942 75.692,44.45 76.962,44.45 77.47,43.942 77.47,35.306 80.01,32.766 83.058,29.718 83.058,22.098 83.058,18.796 85.344,16.51 85.852,16.002 85.852,14.986 85.598,15.24 82.804,15.24 82.55,15.24 81.534,14.732 80.04,14.478
GND on Bottom Layer "Bottom Layer-No Net 1" (solid, pour order 32): 10.16,44.45 10.16,48.26 10.414,48.514 10.668,48.768 12.446,48.768 30.734,48.768 31.75,47.752 32.004,47.498 32.004,43.688 32.004,41.148 31.496,40.64 31.242,40.386 28.448,40.386 27.686,40.386 27.432,40.64 26.924,41.148 26.924,42.672 26.924,46.228 26.162,46.99 22.098,46.99 20.574,46.99 20.066,46.736 19.05,45.72 19.05,43.942 11.938,43.942 11.684,44.196

## Keep-outs
Keep-Out Layer:
  lines w0.1: -57.5,-5 -57.5,71 97.5,71 97.5,-5 -10,-5 -57.5,-5

## Silkscreen, mask and mechanical layers (free items; w line width, h text height)
Top Overlay:
  text "CH_L" at 77,63.5 h1 r270
  text "GND" at 79.5,63.5 h1 r270
  text "CH_R" at 82.5,63.5 h1 r270
  text "CH_L" at 88.5,63.5 h1 r270
  text "GND" at 91,63.5 h1 r270
  text "CH_R" at 94,63.5 h1 r270
  text "A/B" at -49.784,61.976 h1
  text "G" at -44.958,61.722 h1 r90
  text "MO" at -23.876,60.452 h1 r90
  text "INL" at -13.462,60.452 h1 r90
  text "V-" at -11.176,60.452 h1 r90
  text "GND" at -8.382,60.452 h1 r90
  text "V+" at -5.842,60.452 h1 r90
  text "V-" at -42.926,60.198 h1 r90
  text "GND" at -40.894,60.198 h1 r90
  text "V+" at -38.862,60.198 h1 r90
  text "GND" at -36.83,60.198 h1 r90
  text "MO" at -34.544,60.198 h1 r90
  text "GND" at -21.082,60.198 h1 r90
  text "INR" at -18.542,60.198 h1 r90
  text "GND" at -16.002,60.198 h1 r90
  text "R CH" at 23.622,54.102 h3 r180
  text "L CH" at 61.468,54.102 h3 r180
  text "I" at 77.984,9 h1 r90
  text "G" at 80.484,9 h1 r90
  text "O" at 82.984,9 h1 r90
  text "I" at 88.484,9 h1 r90
  text "G" at 90.984,9 h1 r90
  text "O" at 93.484,9 h1 r90
  text "VOL MASTER" at 76,6.25 h2
  text "VOL" at -1.25,6 h1
  text "LOW" at 22.25,5.75 h1
  text "MID" at 46.5,5.75 h1
  text "HIGH" at 70.25,5.75 h1
  text "DIR" at -44.25,-4 h1
  text "A/B" at -38.75,-4 h1
Bottom Overlay:
  text "V+" at 13.462,66.548 h1 r90
  text "GND" at 15.748,66.548 h1 r90
  text "V-" at 18.542,66.548 h1 r90
  text "GND" at 21.082,66.548 h1 r90
  text "IN-R" at 23.622,66.548 h1 r90
  text "V+" at 51.308,66.294 h1 r90
  text "GND" at 53.848,66.294 h1 r90
  text "V-" at 56.388,66.294 h1 r90
  text "GND" at 58.928,66.294 h1 r90
  text "IN-L" at 61.468,66.294 h1 r90

## Text inside footprints (layer, text, board x,y; h text height)
C1: Top Overlay "+" at -1.719,29.6 h1 r270
C2: Top Overlay "+" at -1.706,50.802 h1 r270
C3: Top Overlay "+" at 90.706,22.698 h1 r90
C8: Top Overlay "+" at 75.698,28.794 h1
C9: Top Overlay "+" at -1.719,21.1 h1 r270
C10: Top Overlay "+" at -1.198,53.206 h1 r180
C11: Top Overlay "+" at 75.496,50.307 h1
C12: Top Overlay "+" at 90.706,44.198 h1 r90
C15: Top Overlay "+" at -10.668,20.828 h1 r270
C16: Top Overlay "+" at -42.926,14.224 h1 r90
C20: Top Overlay "+" at -18.034,20.828 h1 r270
C21: Top Overlay "+" at -43.434,10.16 h1
U1: Top Overlay "IN" at 23.505,64.667 h1 r90; Top Overlay "GND" at 20.965,63.651 h1 r90; Top Overlay "V-" at 18.425,64.921 h1 r90; Top Overlay "G" at 15.885,64.921 h1 r90; Top Overlay "V+" at 13.345,64.921 h1 r90; Top Overlay "MID" at 13.676,13.62 h1 r90; Top Overlay "HI" at 15.962,13.62 h1 r90; Top Overlay "LOW" at 18.756,13.62 h1 r90; Top Overlay "GND" at 21.296,13.62 h1 r90; Top Overlay "GND" at 23.328,13.62 h1 r90
U2: Top Overlay "GND" at 61.328,13.62 h1 r90; Top Overlay "GND" at 59.296,13.62 h1 r90; Top Overlay "LOW" at 56.756,13.62 h1 r90; Top Overlay "HI" at 53.962,13.62 h1 r90; Top Overlay "MID" at 51.676,13.62 h1 r90; Top Overlay "V+" at 51.345,64.921 h1 r90; Top Overlay "G" at 53.885,64.921 h1 r90; Top Overlay "V-" at 56.425,64.921 h1 r90; Top Overlay "GND" at 58.965,63.651 h1 r90; Top Overlay "IN" at 61.505,64.667 h1 r90